# Altium PCB CANOPi_Baseboard.PcbDoc (part 1 of 3)
Units mm, origin at the board's own origin, x right, y up, seen from the top; angles counter-clockwise.
Board outline 92 x 56 mm, 4 copper layers (Top Layer, Int2 (Sign), Int3 (Sign), Bottom Layer), stack 1.624 mm thick; 181 components, 118 nets, 788 pads, 409 vias.
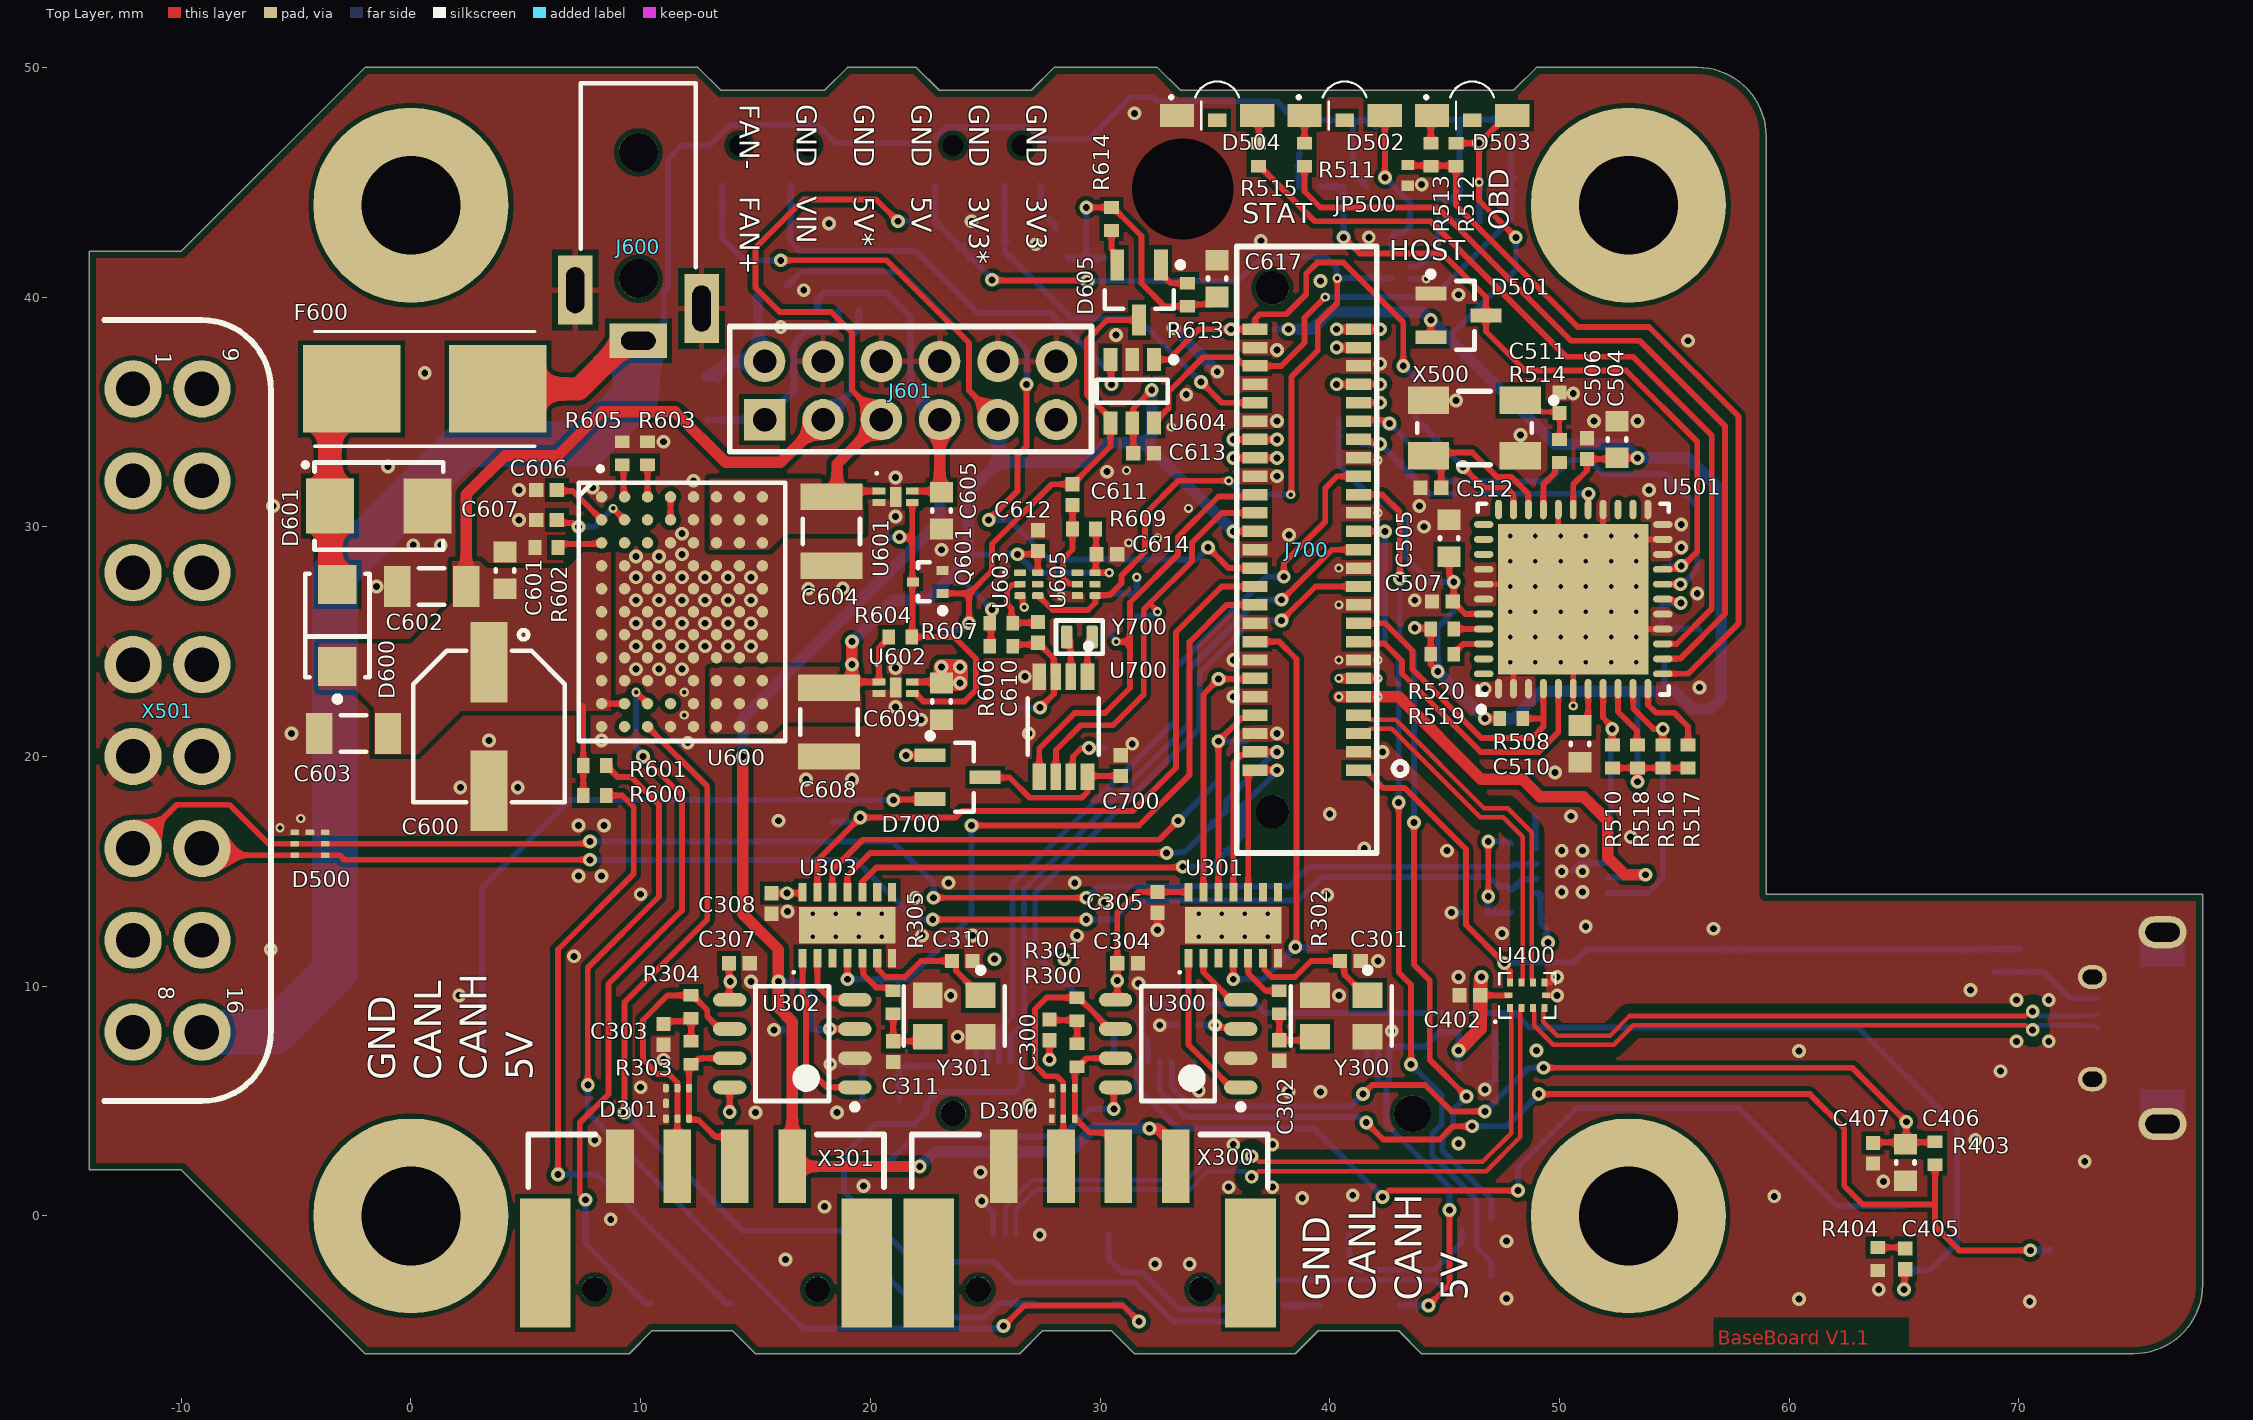
[diagram p0: Top Layer view]
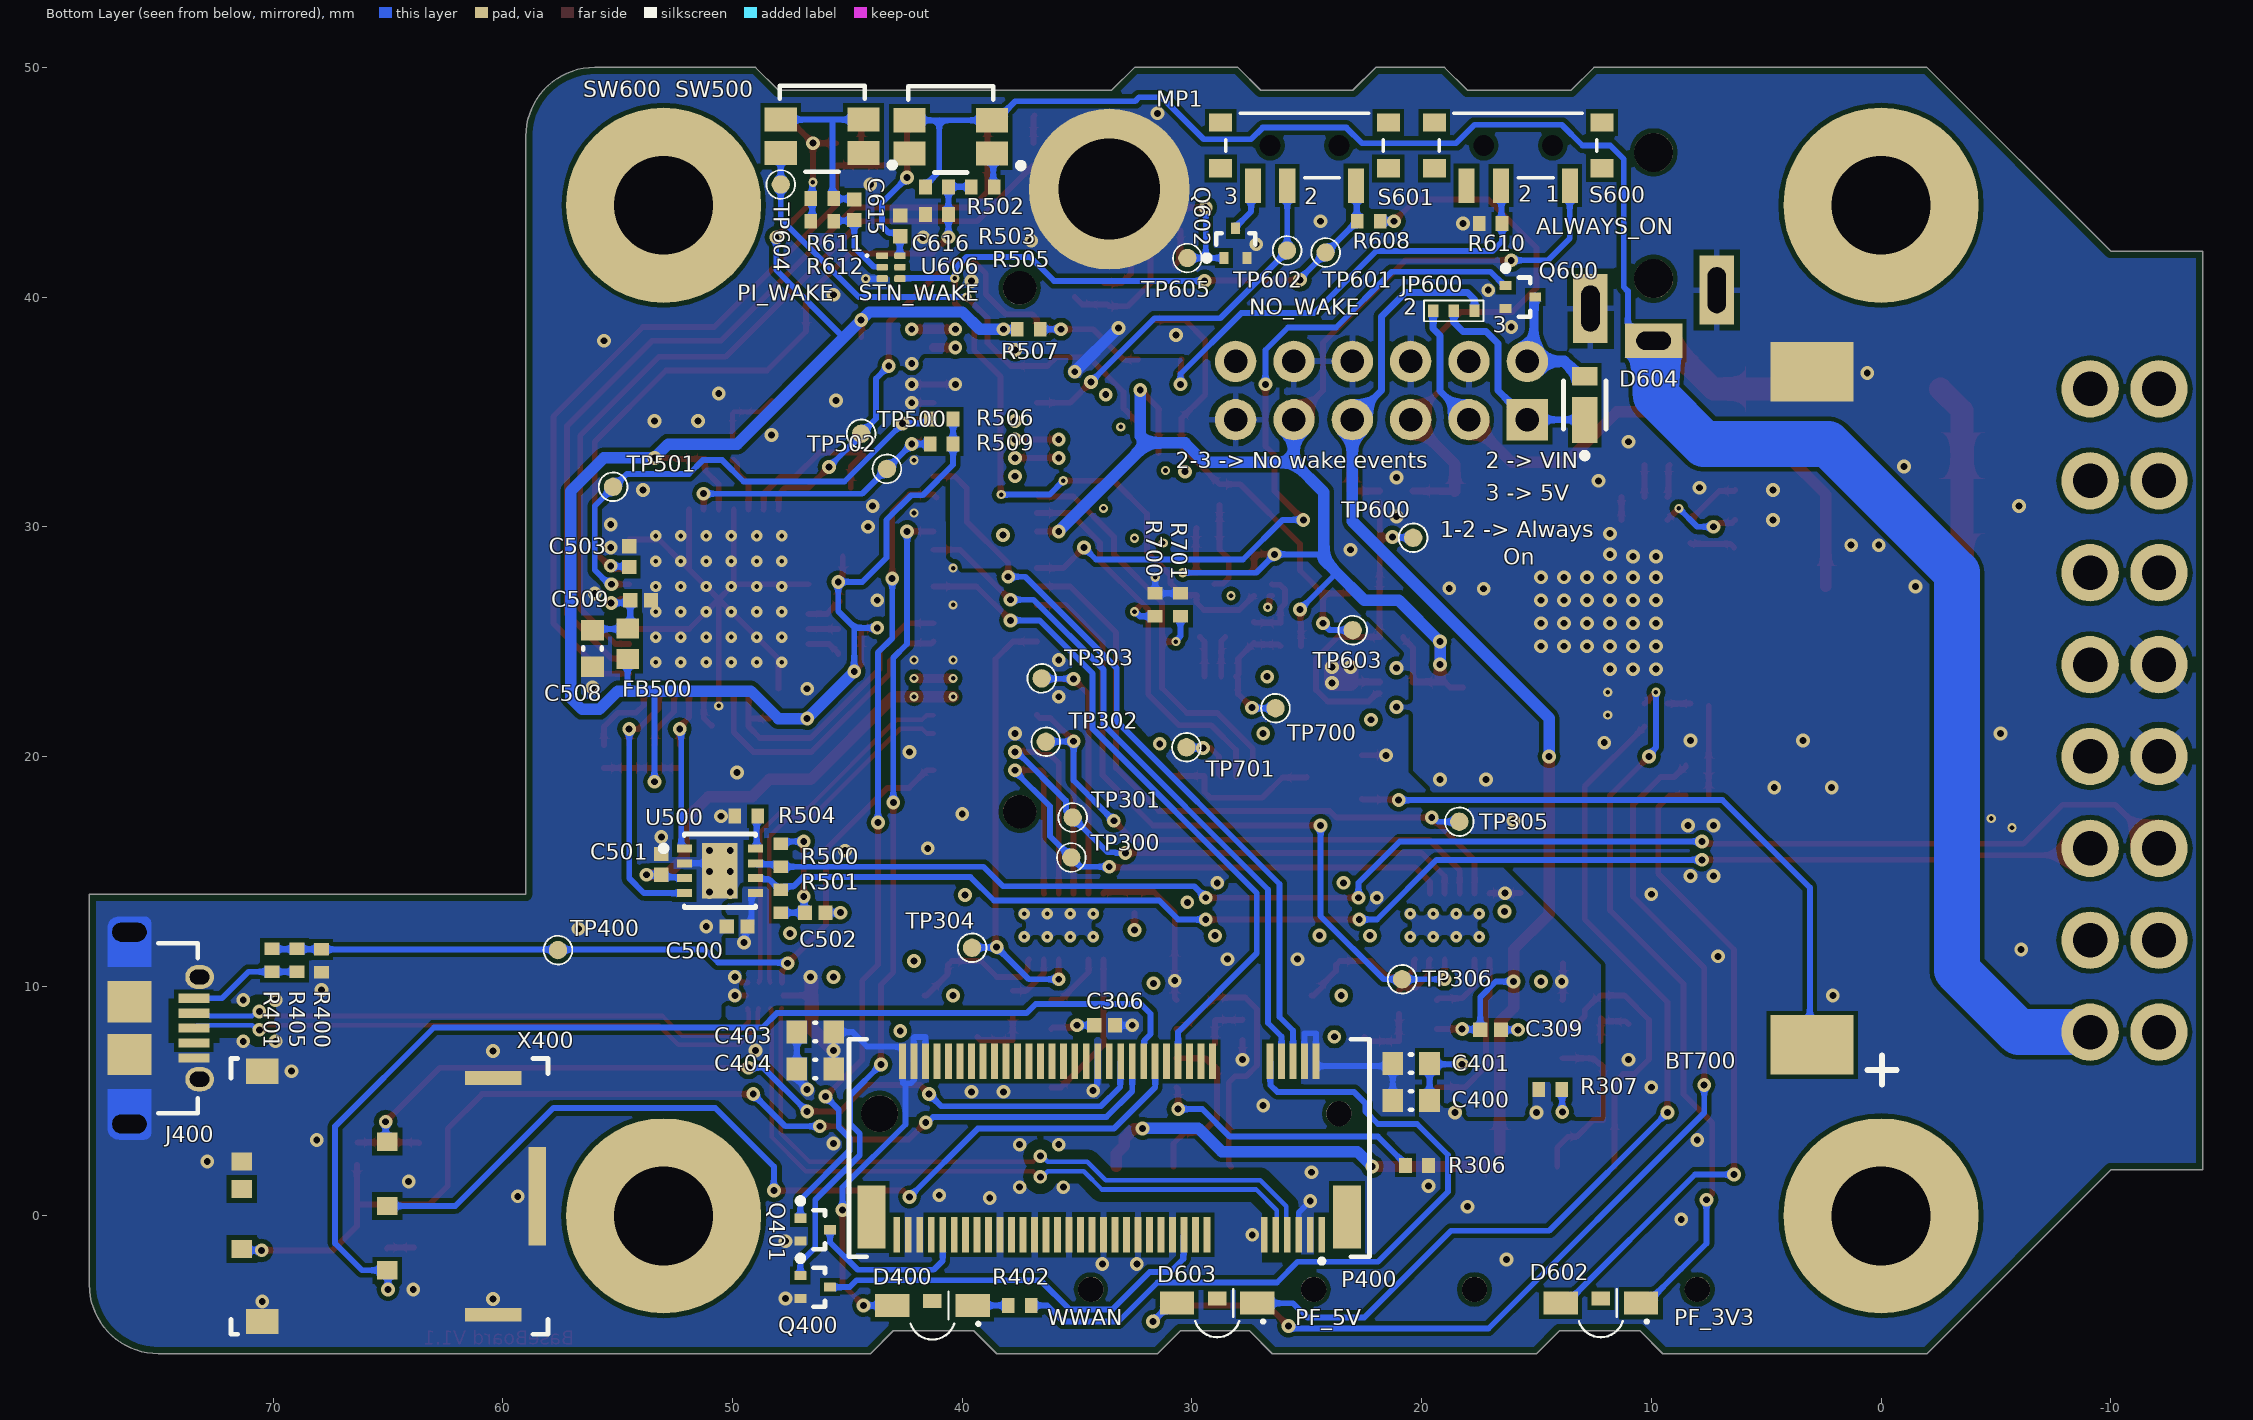
[diagram p1: Bottom Layer view, seen from below]
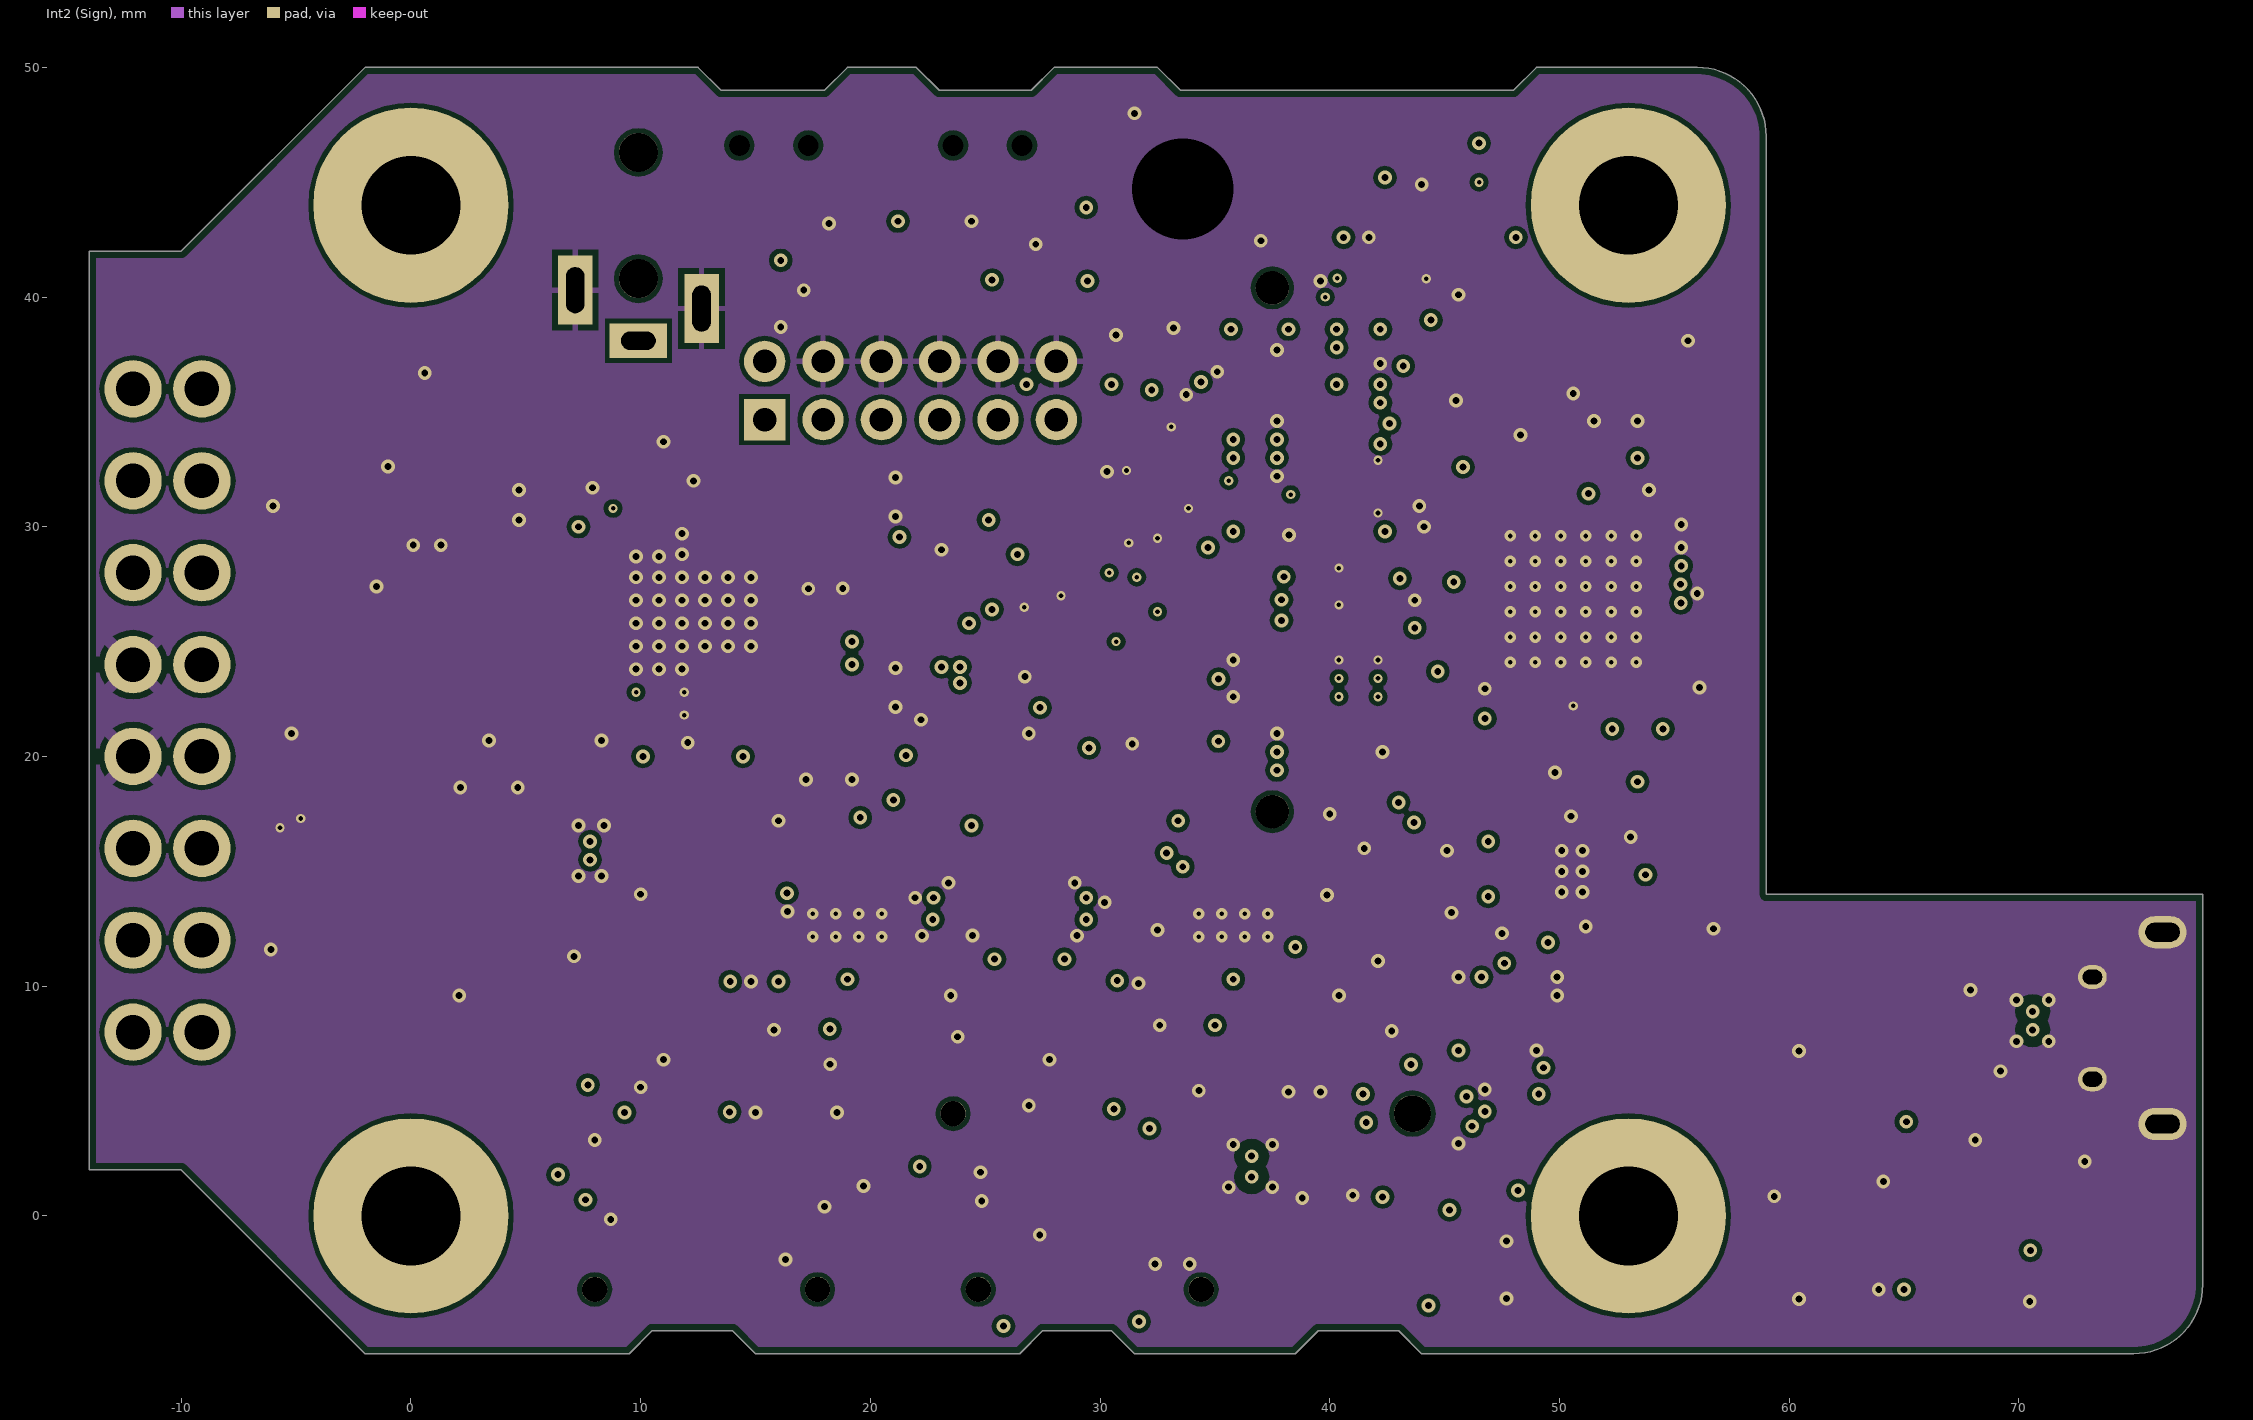
[diagram p2: Int2 (Sign)]
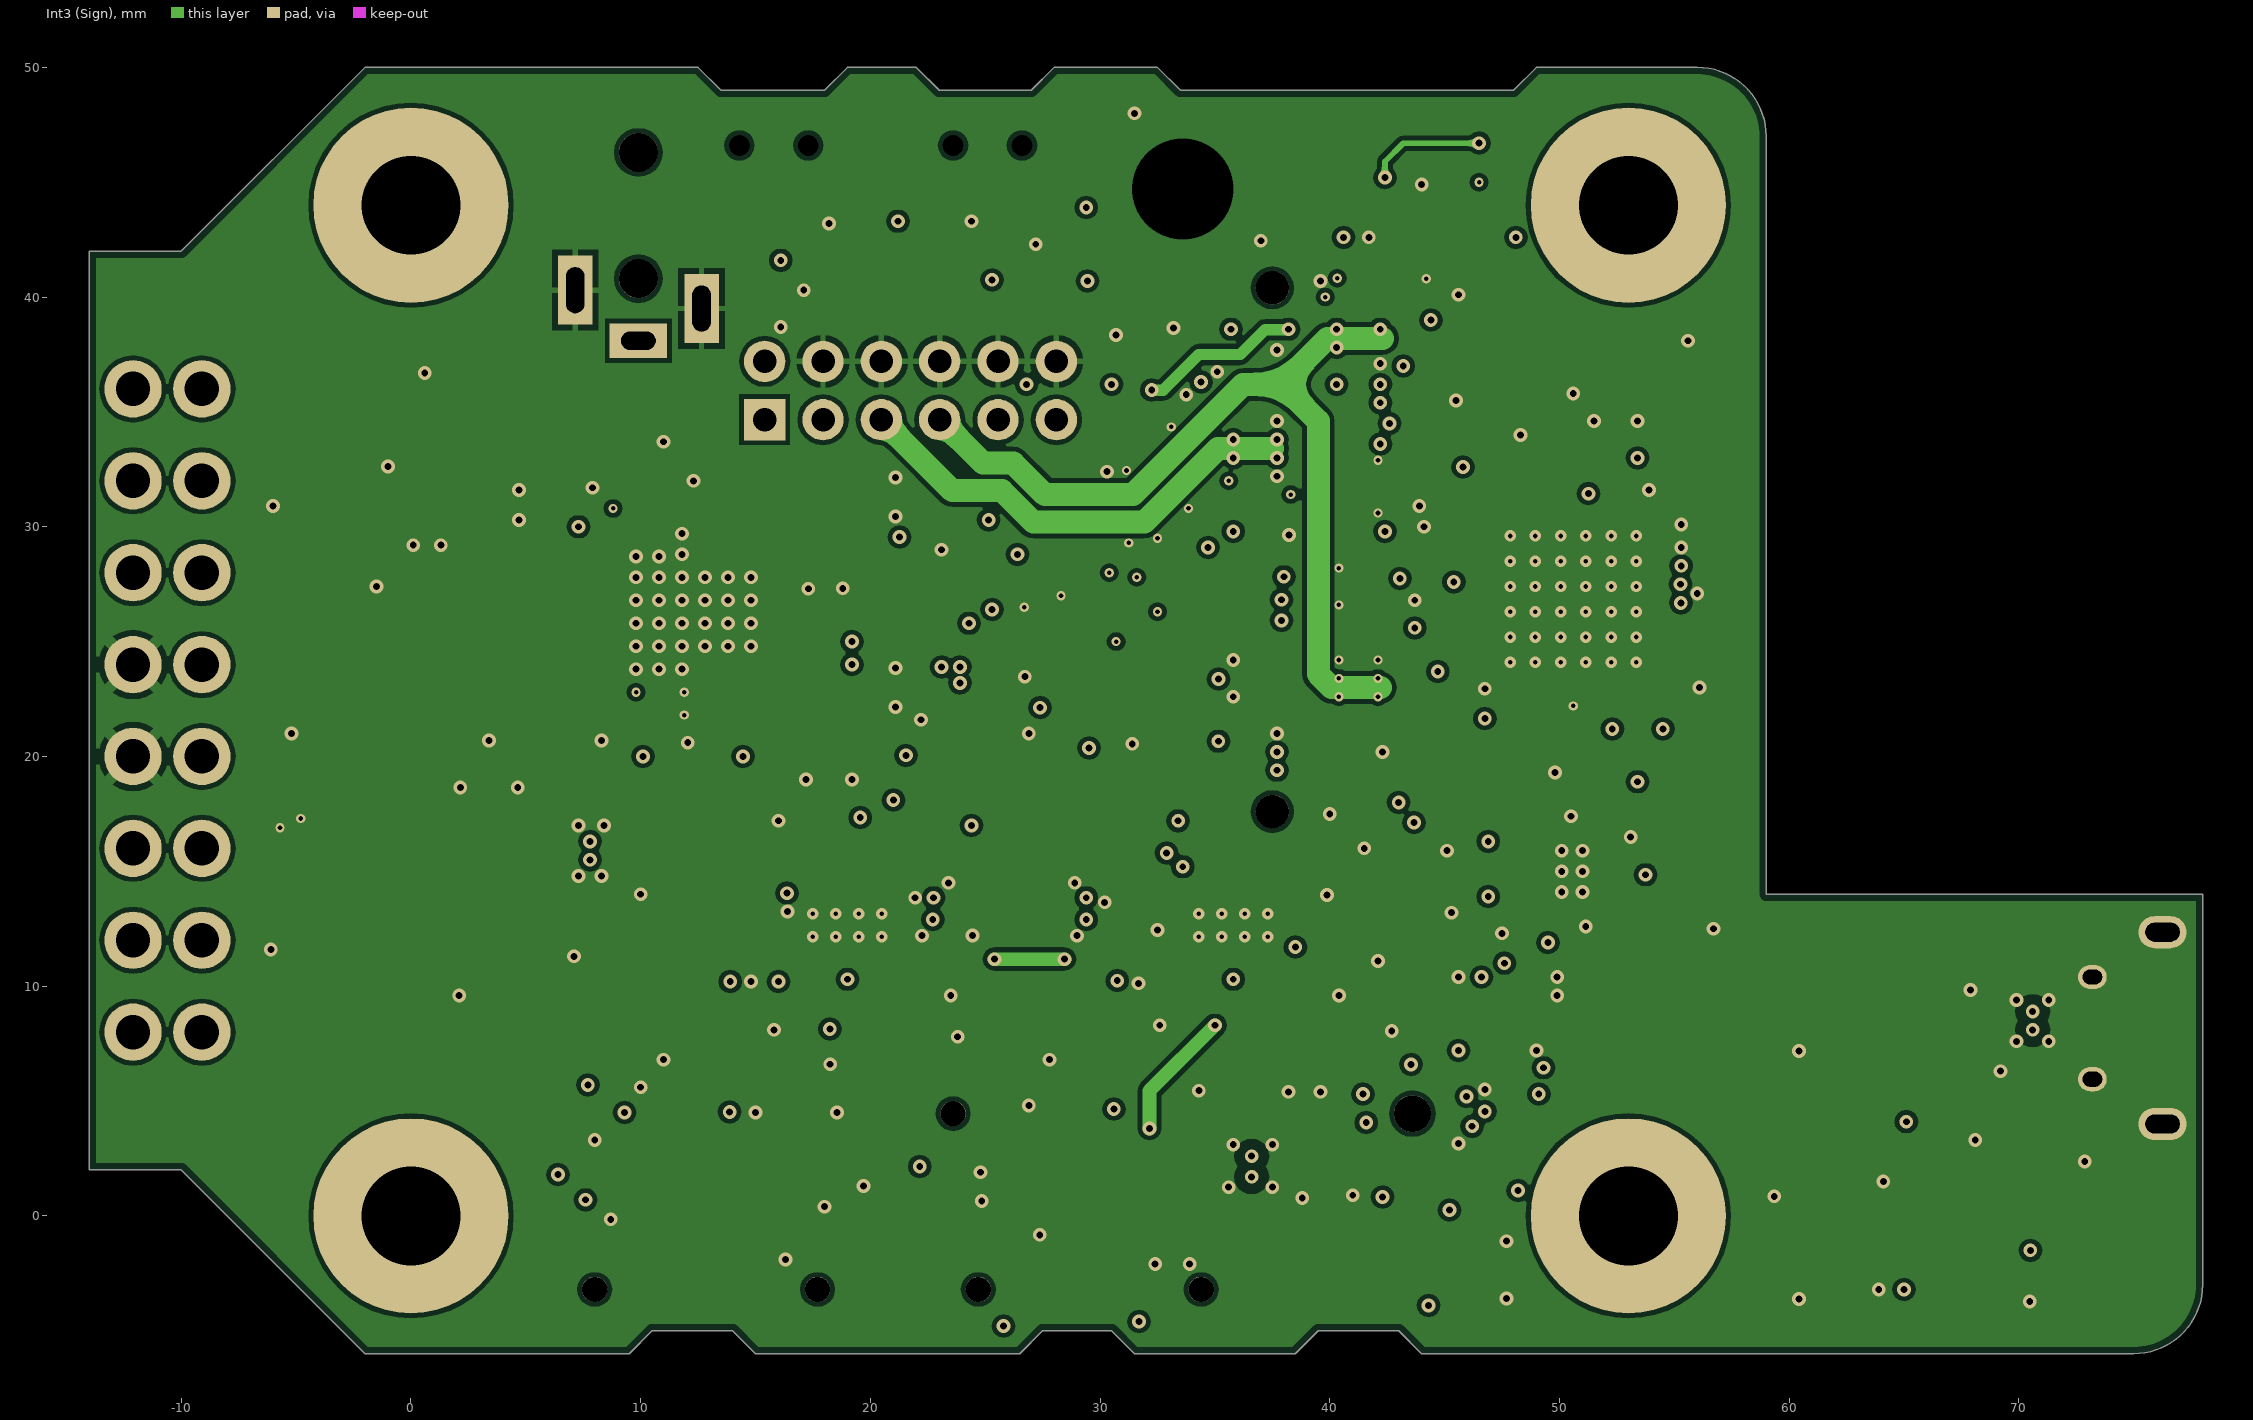
[diagram p3: Int3 (Sign)]

## Layer stack, top to bottom
Top Solder: solder mask 0.0254, SM-001, Dk 4
Top Layer: signal copper 0.035
Dielectric 2: prepreg 0.0711, PP-006, Dk 3.95
Dielectric 3: prepreg 0.0711, PP-006, Dk 3.95
Int2 (Sign): signal copper 0.035
Dielectric 1: core 1.2, Core-009, Dk 4.6
Int3 (Sign): signal copper 0.035
Dielectric 7: prepreg 0.0711, PP-006, Dk 3.95
Dielectric 4: prepreg 0.0711, PP-006, Dk 3.95
Bottom Layer: signal copper 0.035
Bottom Solder: solder mask 0.0254, SM-001, Dk 4

## Board outline
-14,2 -10,2 -2,-6 9.5,-6 10.5,-5 14,-5 15,-6 26.5,-6 27.5,-5 30.5,-5 31.5,-6 38.5,-6 39.5,-5 43,-5 44,-6 75,-6 ccw(c75,-3) 78,-3 78,14 59,14 59,47 ccw(c56,47) 56,50 49,50 48,49 33.5,49 32.5,50 28,50 27,49 23,49 22,50 19,50 18,49 13.5,49 12.5,50 -2,50 -10,42 -14,42

## Design rules (kind name [scope] priority, off if disabled: settings)
BoardOutlineClearance [All] p1: gap=0.3 ignorepadtopadclearanceinfootprint=FALSE
Clearance Clearance_1 [InDifferentialPairClass('All Differential Pairs')] p1: gap=0.45 ignorepadtopadclearanceinfootprint=FALSE
Clearance [All] p2: gap=0.2 ignorepadtopadclearanceinfootprint=FALSE
DiffPairsRouting DiffPair_90 [All] p1: maxlimit=0.25 minlimit=0.15 mostfreqgap=0.2 toplayer_minwidth=0.15 toplayer_maxwidth=0.25 toplayer_prefwidth=0.2 midlayer1_minwidth=0.15 midlayer1_maxwidth=0.25 midlayer1_prefwidth=0.2 midlayer2_minwidth=0.15 midlayer2_maxwidth=0.25 midlayer2_prefwidth=0.2 bottomlayer_minwidth=0.15 bottomlayer_maxwidth=0.25 bottomlayer_prefwidth=0.2 maxuncoupledlength=12.7
HoleSize [All] p1: absolutevalues=TRUE maxlimit=5 minlimit=0.025 maxpercent=80.000 minpercent=20.000
MinimumSolderMaskSliver [All] p1: minsoldermaskwidth=0.05
PlaneConnect [InPadClass('THT')] p1: planeconnectstyle=Relief reliefexpansion=0.508 reliefentries=4 reliefconductorwidth=0.254 reliefairgap=0.254
PlaneConnect PlaneConnect_1 [All] p2: planeconnectstyle=Direct reliefexpansion=0.508 reliefentries=4 reliefconductorwidth=0.254 reliefairgap=0.254
PolygonConnect PolygonConnect_OBD_GND [(ObjectKind = 'Pad') And (Component = 'X501')] p1: connectstyle=Relief reliefconductorwidth=0.5 reliefentries=4 polygonreliefangle="45 Angle" airgapwidth=0.254
PolygonConnect [InPadClass('THT');] p2: connectstyle=Relief reliefconductorwidth=0.254 reliefentries=4 polygonreliefangle="90 Angle" airgapwidth=0.254
PolygonConnect PolygonConnect_1 [All] p3: connectstyle=Direct reliefconductorwidth=0.254 reliefentries=4 polygonreliefangle="90 Angle" airgapwidth=0.254
RoutingVias RoutingVias_0.3_0.6 [All] p1: holewidth=0.3 width=0.6 viastyle="Through Hole" minholewidth=0.2 minwidth=0.4 maxholewidth=0.3 maxwidth=0.6
RoutingVias [All] p2: holewidth=0.711 width=1.27 viastyle="Through Hole" minholewidth=0.711 minwidth=1.27 maxholewidth=0.711 maxwidth=1.27
SilkToSolderMaskClearance [IsPad] p1: minsilkscreentomaskgap=0.15 clearancetoexposedcopper=TRUE
SolderMaskExpansion [All] p1: expansion=0.05 istentingtop=FALSE
Width [All] p1: maxlimit=5 minlimit=0.1 preferedwidth=0.254
25 further rules are at their usual default settings.

## Classes and differential pairs
pad class THT: J600-1 J600-2 J600-3 J600-MH1 J600-MH2 J601-1 J601-2 J601-3 J601-4 J601-5 J601-6 J601-7 J601-8 J601-9 J601-10 J601-11 J601-12 X501-1 X501-2 X501-3 X501-4 X501-5 X501-6 X501-7 X501-8 X501-9 X501-10 X501-11 X501-12 X501-13 X501-14 X501-15 X501-16
component class CANOPi_Baseboard_RTC: BT700 C700 D700 J700 R700 R701 TP700 TP701 U700 Y700
component class CANOPi_Baseboard_PWR: C600 C601 C602 C603 C604 C605 C606 C607 C608 C609 C610 C611 C612 C613 C614 C615 C616 C617 D600 D601 D602 D603 D604 D605 F600 J600 J601 JP600 Q600 Q601 Q602 R600 R601 R602 R603 R604 R605 R606 R607 R608 R609 R610 R611 R612 R613 R614 S600 S601 SW600 TP600 TP601 TP602 TP603 TP604 TP605 U600 U601 U602 U603 U604 U605 U606
component class CANOPi_Baseboard_STN2100: C500 C501 C502 C503 C504 C505 C506 C507 C508 C509 C510 C511 C512 D500 D501 D502 D503 D504 FB500 JP500 R500 R501 R502 R503 R504 R505 R506 R507 R508 R509 R510 R511 R512 R513 R514 R515 R516 R517 R518 R519 R520 SW500 TP500 TP501 TP502 U500 U501 X500 X501
component class CANOPi_Baseboard_LTE: C400 C401 C402 C403 C404 C405 C406 C407 D400 J400 MP1 P400 Q400 Q401 R400 R401 R402 R403 R404 R405 TP400 U400 X400
component class CANOPi_Baseboard_CAN: C300 C301 C302 C303 C304 C305 C306 C307 C308 C309 C310 C311 D300 D301 R300 R301 R302 R303 R304 R305 R306 R307 TP300 TP301 TP302 TP303 TP304 TP305 TP306 U300 U301 U302 U303 X300 X301 Y300 Y301
differential pair USB_UP: +USB_UP_P -USB_UP_N
differential pair USBH: +USBH_P -USBH_N
differential pair USB_OTG: +USB_OTG_P -USB_OTG_N
